# Altium PCB PCB-Tester-Board-V1.PcbDoc (part 1 of 7) (continued)
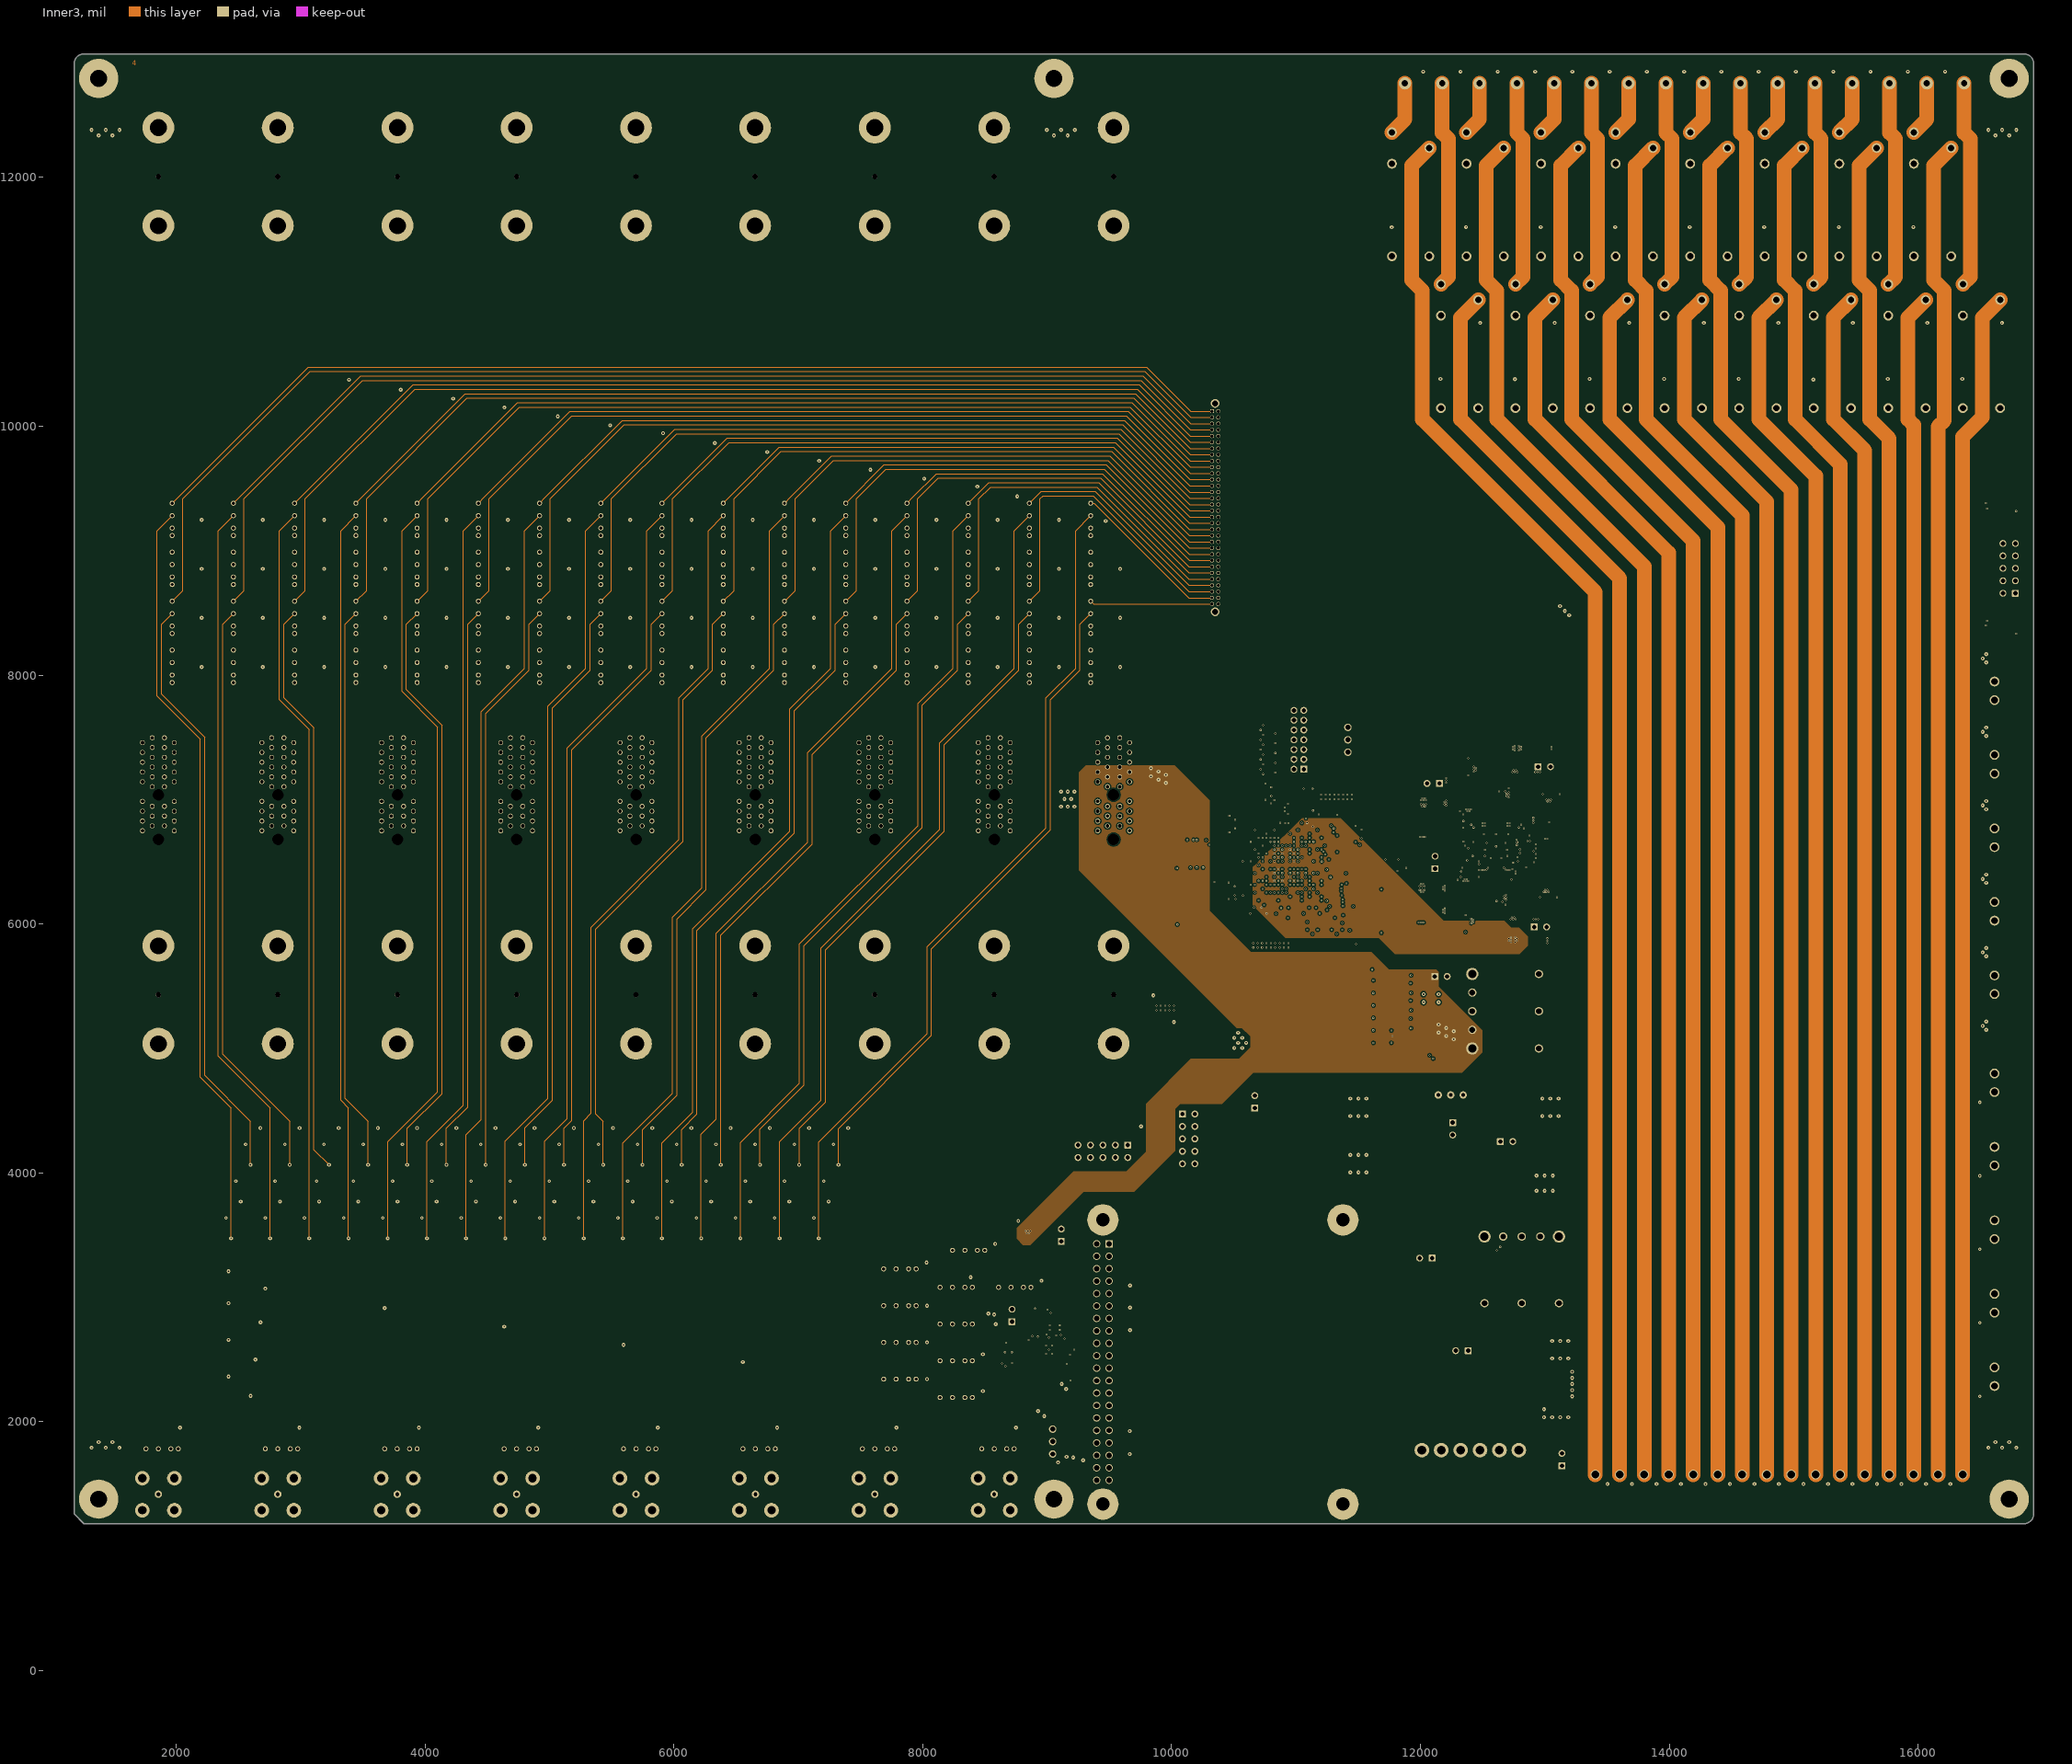
[diagram p4: Inner3]
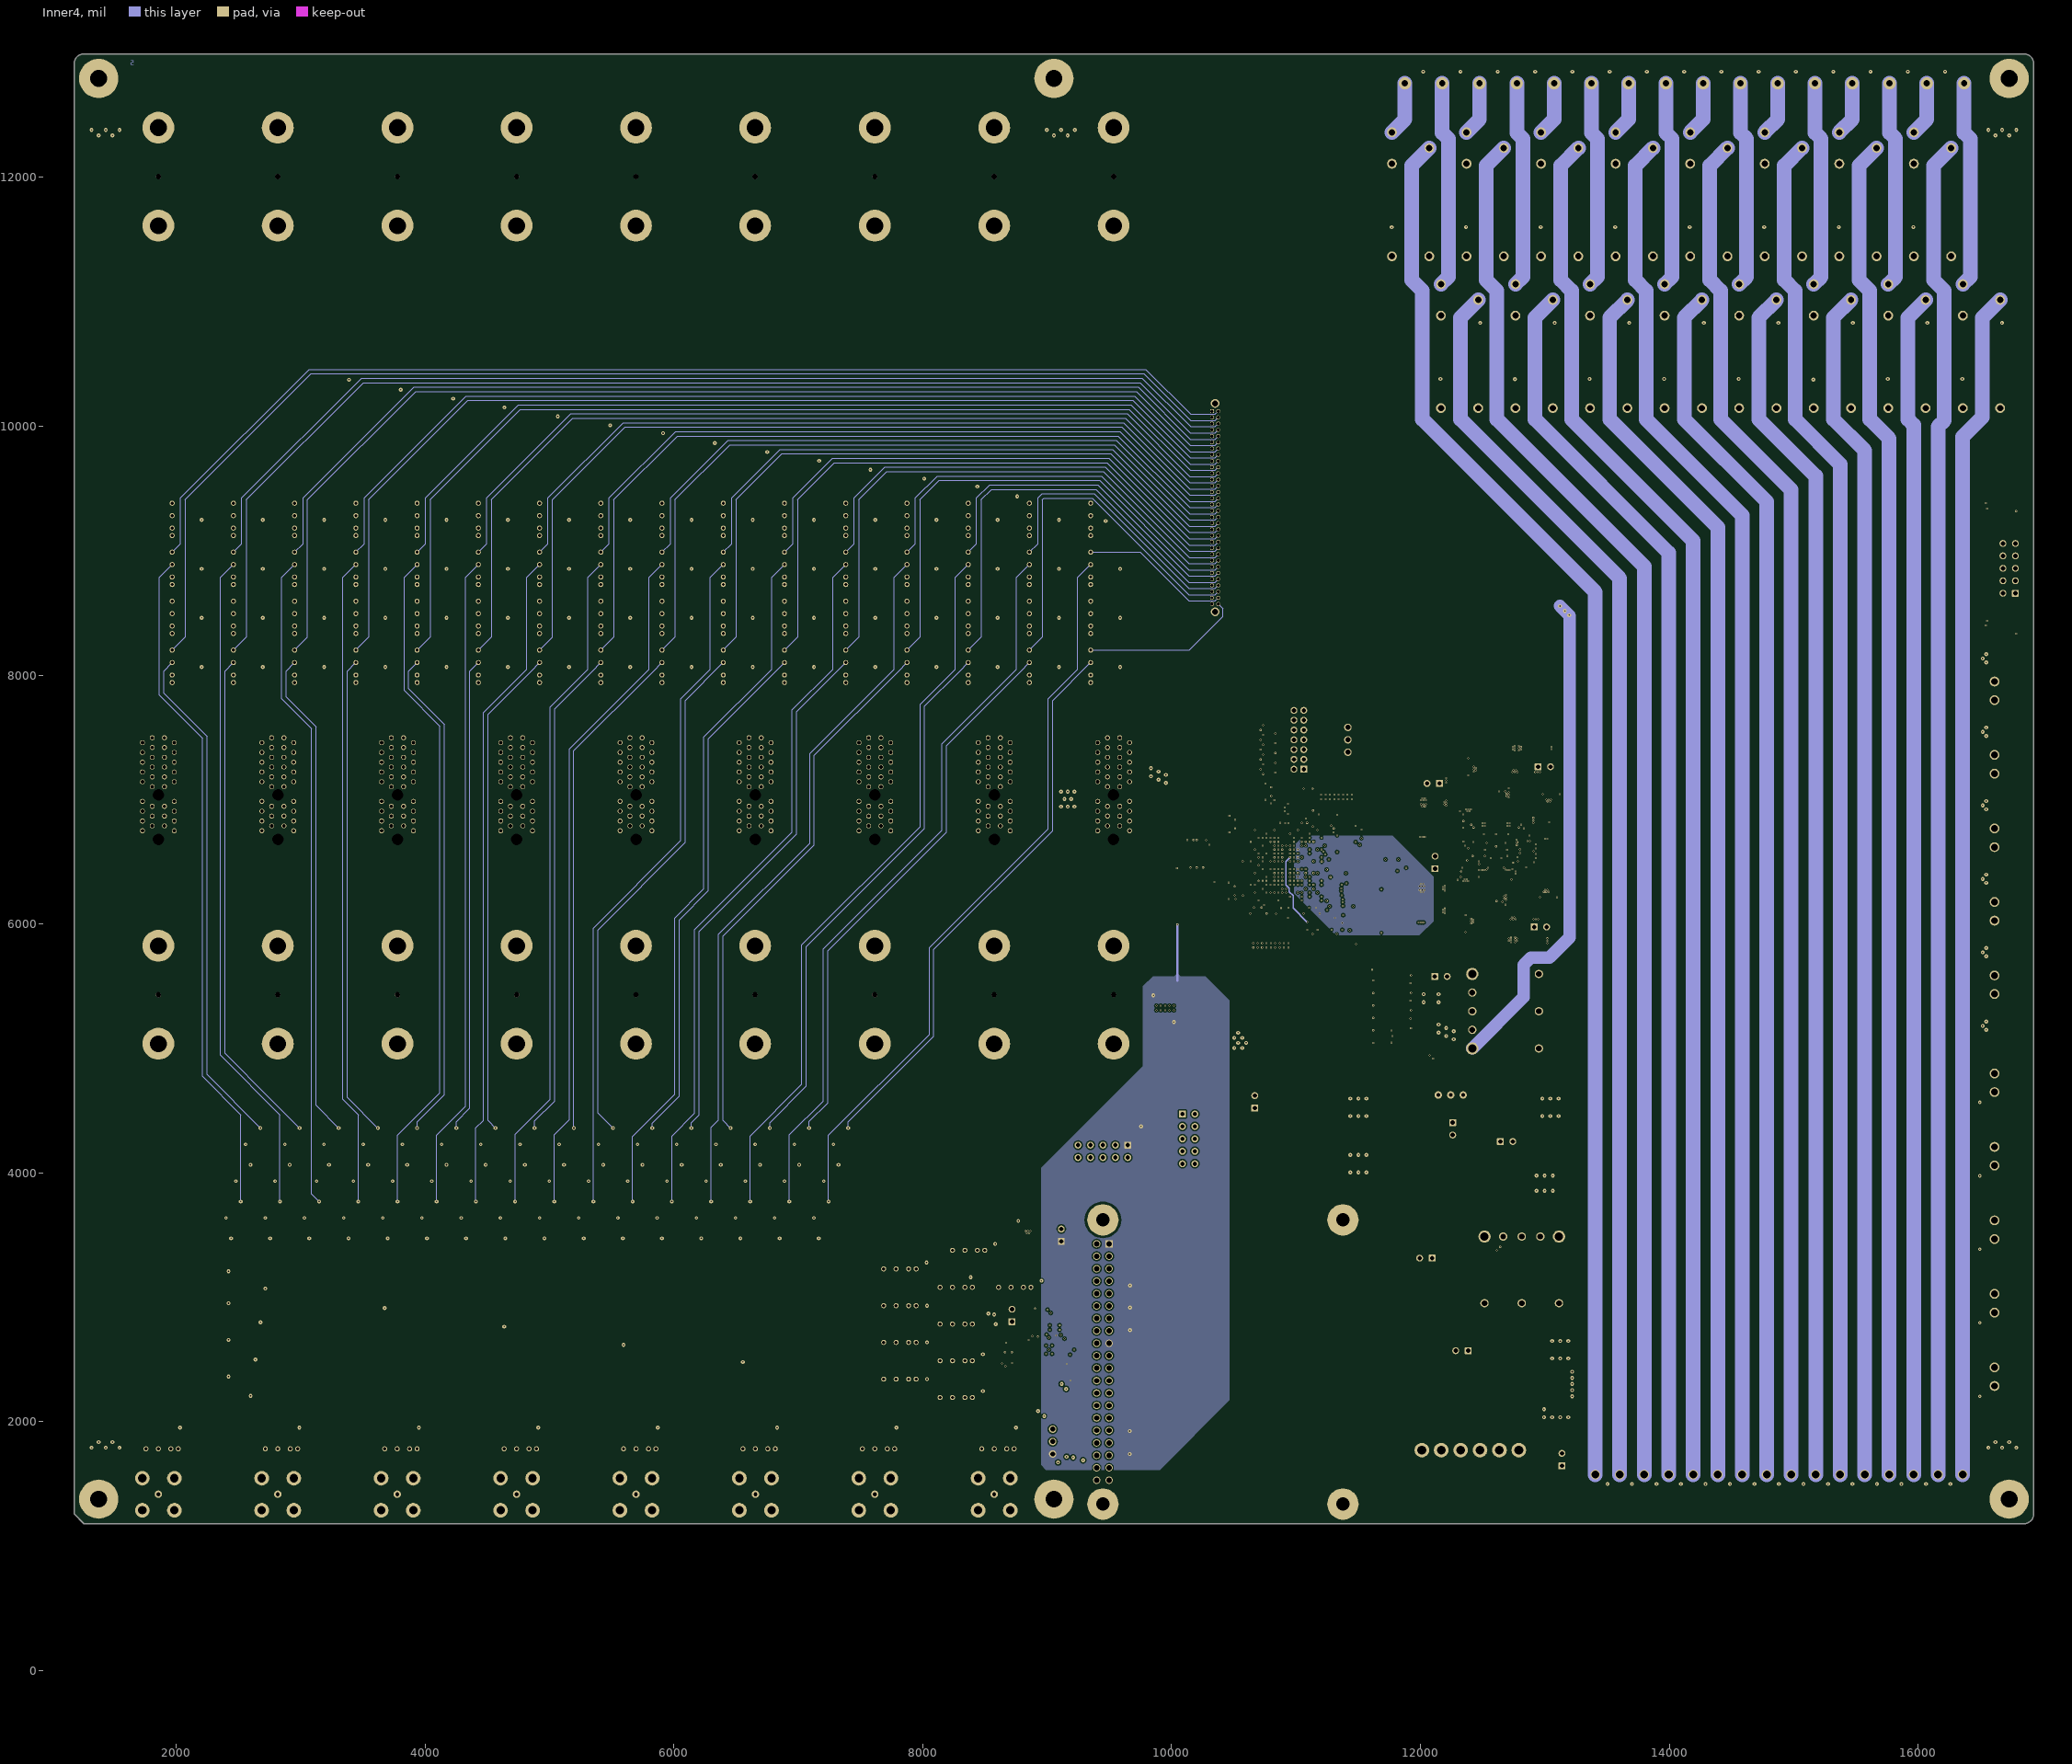
[diagram p5: Inner4]
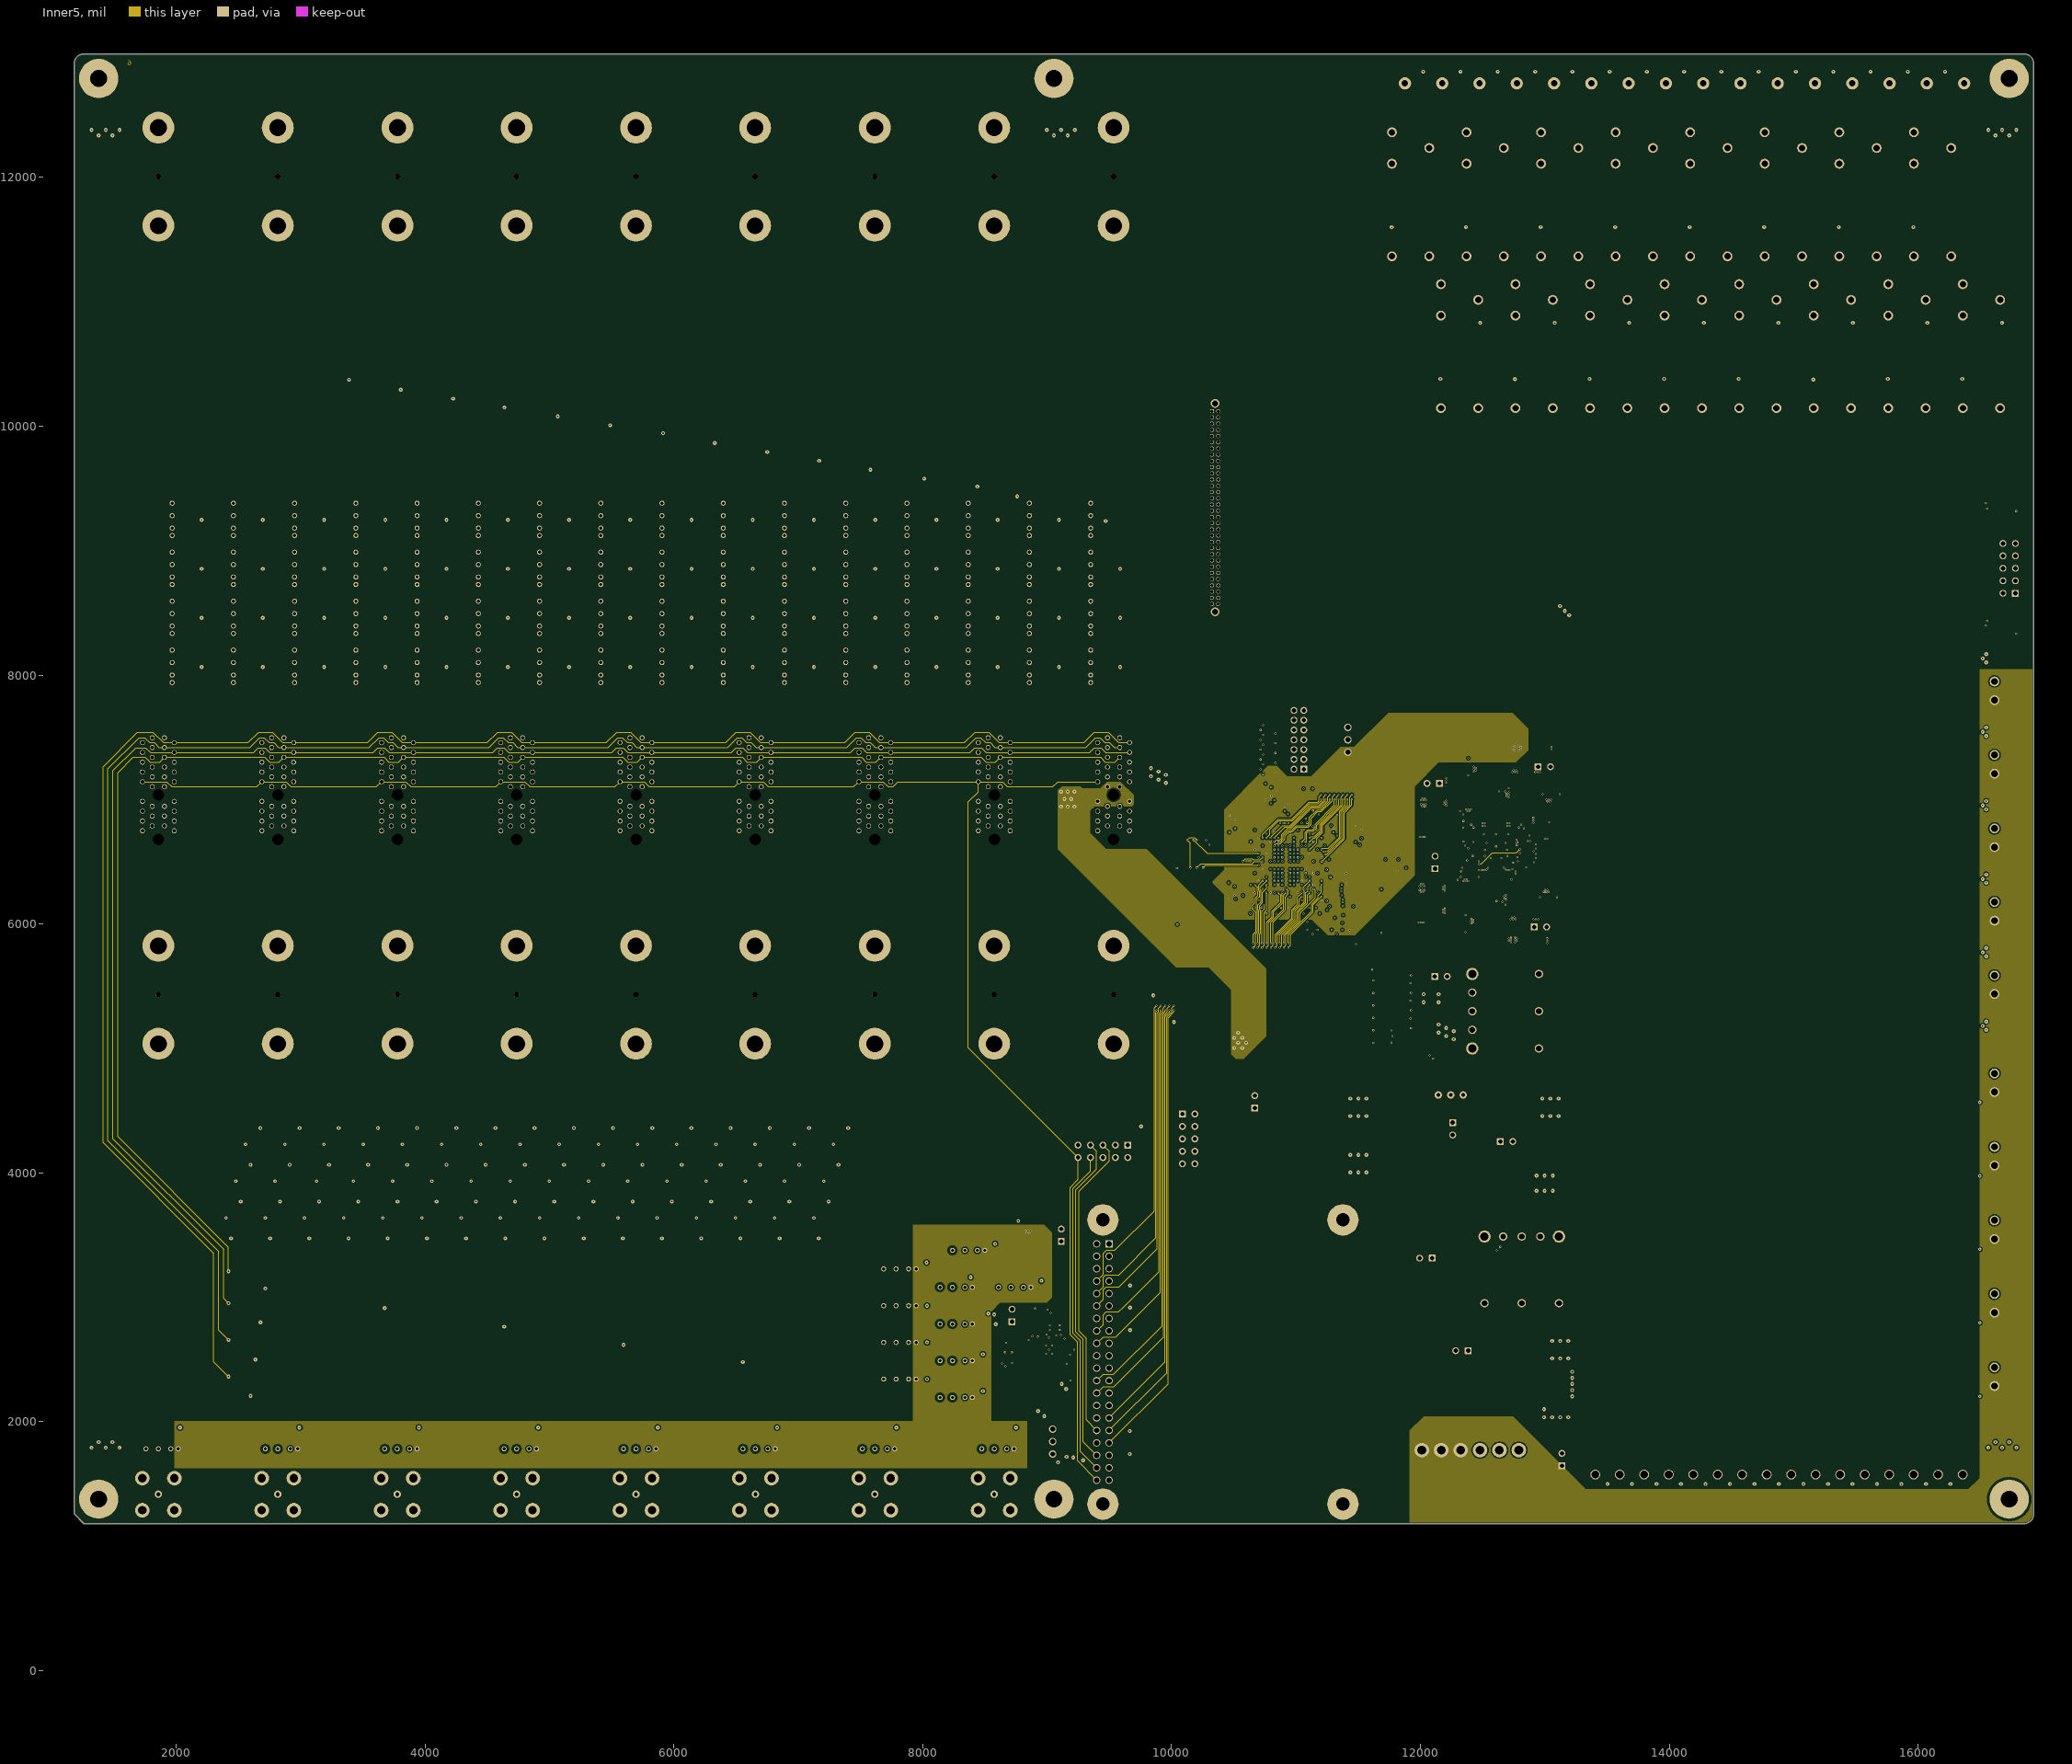
[diagram p6: Inner5]